# Altium PCB ZYNQ-7000_SOM_Bd.PcbDoc (part 6 of 6) (continued)
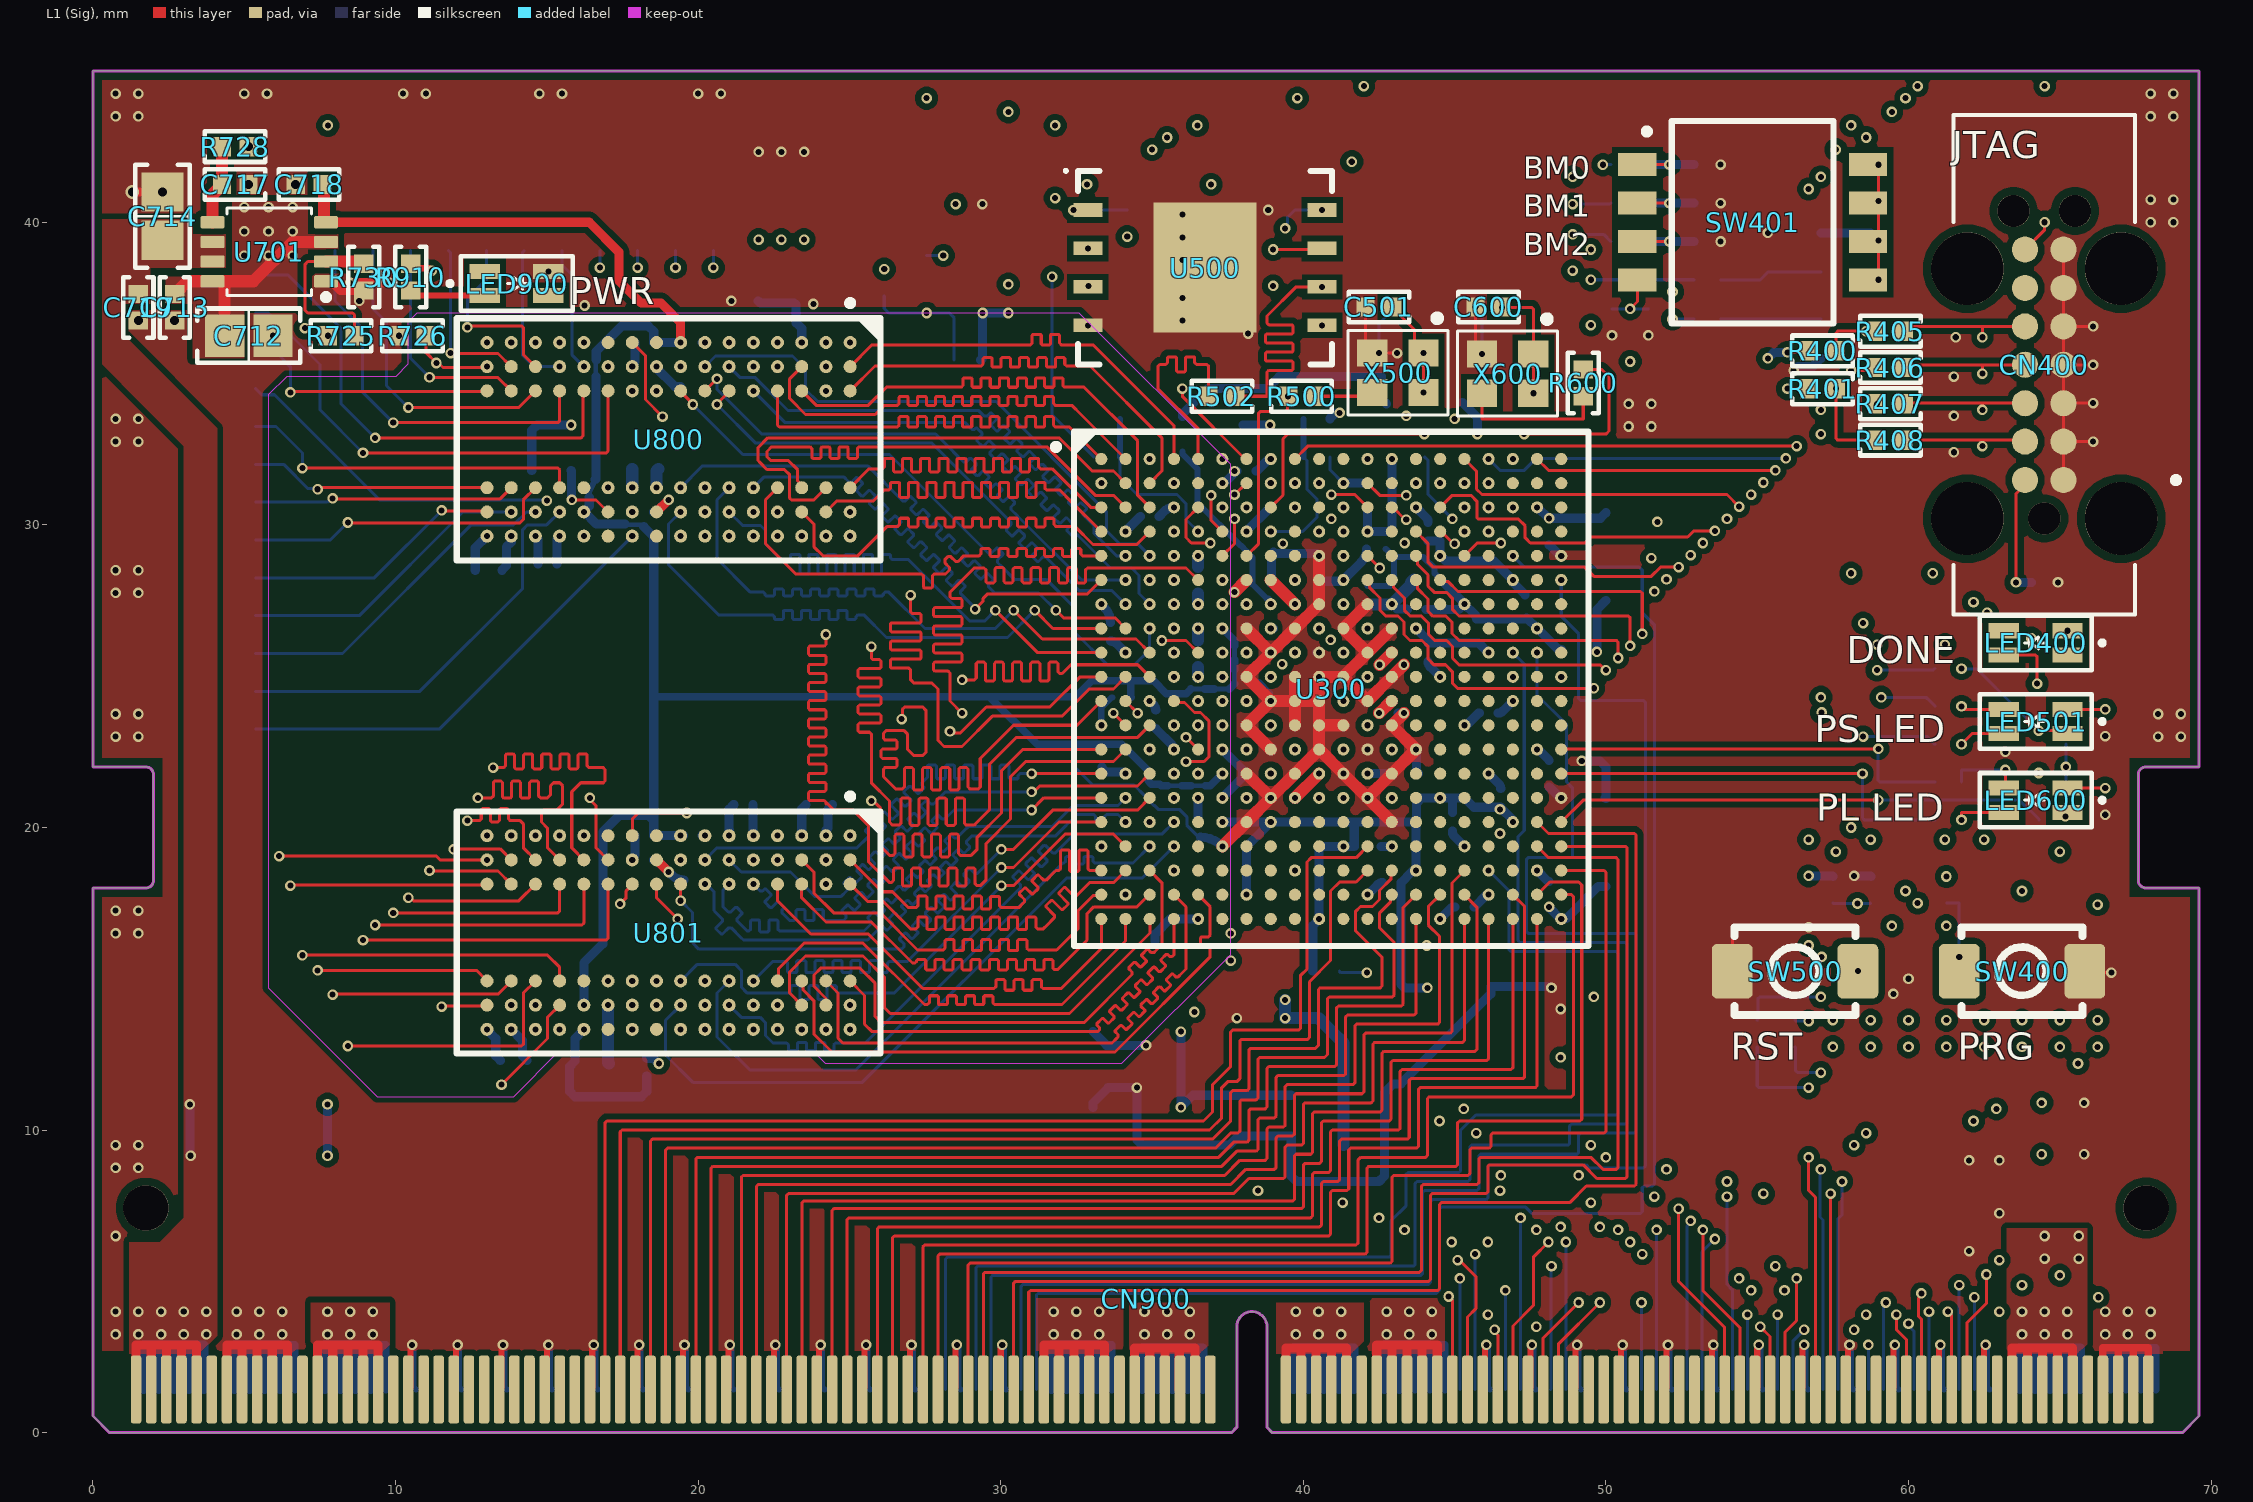
[diagram p0: L1 (Sig) view]
## Nets (pads, with @x,y where several pads share a name; then routed paths per layer and width w, separated by ;. In a path a pad name is that pad's centre, name@x,y a point inside that pad or via, vN(x,y) a via of type N, cw(c..) or ccw(c..) an arc to the next point about the centre after c; other vN are vias at no path point) (continued)
  L6 (Sig) w0.1: v1(32.9,37.9) v1(39,37.9) 39.5,38.4 v1(48.9,38.4)
  L8 (Sig) w0.1: v1(48.9,39.6) 49.925,39.6 R416.1@50.16,39.365
PS_QSPI_DQ3_BM0: R412.1 U300.A6 U500.7 | length 28.2
  L1 (Sig) w0.1: v1(39,39.1) 40.585,39.1 U500.7@40.62,39.135
  L4 (Sig) w0.1: v1(37.323,32.177) 37.323,35.059 37.323,35.409 37.381,35.467 37.661,35.467 37.691,35.497 37.691,35.737 37.661,35.767 37.328,35.767 37.298,35.797 37.298,36.037 37.328,36.067 37.661,36.067 37.691,36.097 37.691,36.337 37.661,36.367 37.328,36.367 37.298,36.397 37.298,36.637 37.328,36.667 37.661,36.667 37.691,36.697 37.691,36.937 37.661,36.967 37.328,36.967 37.298,36.997 37.298,37.237 37.328,37.267 37.661,37.267 37.691,37.297 37.691,37.537 37.661,37.567 37.328,37.567 37.298,37.597 37.298,37.837 37.328,37.867 37.661,37.867 37.691,37.897 37.691,38.137 37.661,38.167 37.328,38.167 37.298,38.197 37.298,38.437 37.328,38.467 37.661,38.467 37.691,38.497 37.691,38.737 37.661,38.767 37.381,38.767 37.323,38.826 37.323,39.041 37.348,39.066 37.381,39.1 v1(39,39.1) ; v1(49.5,39.1) 49.9,39.5 v1(49.9,41.9) v1@49.852,41.852
  L6 (Sig) w0.1: v1(39,39.1) v1(49.5,39.1)
  L8 (Sig) w0.1: v1(49.9,41.9) 49.905,41.905 R412.1@50.16,41.905
PS_QSPI_NCS: R501.1 U300.A7 U500.1 | length 13.2
  L1 (Sig) w0.1: v1(32.4,40.4) 32.875,40.4 U500.1@32.88,40.405 U500.1@32.885,40.4 ; v1(36,34.5) 36,34.248 38.071,32.177 U300.A7@38.123,32.177
  L6 (Sig) w0.1: v1(32.4,40.4) 32.4,40.332 32.3,40.232 32.3,37.8 35.6,34.5 v1(36,34.5)
  L8 (Sig) w0.1: v1(32.4,40.4) 34.175,40.4 R501.1@34.18,40.405
PS_SD0_CK: CN900.203 U300.D14 | length 37.6
  L1 (Sig) w0.1: U300.D14@43.723,29.777 44.112,29.388 44.112,28.778 44.29,28.6 49.3,28.6 49.6,28.3 51.5,28.3 51.8,28.6 v1(52.4,28.6) ; v1(52.4,7.4) 52.4,5 53.925,3.475 CN900.203@53.925,1.425
  L4 (Sig) w0.1: v1(52.4,7.4) v1(52.4,28.6)
PS_SD0_CMD: CN900.205 U300.C17 | length 36
  L1 (Sig) w0.1: v1(53.2,6.7) 53.2,4.7 54.425,3.475 CN900.205@54.425,1.425
  L4 (Sig) w0.1: v1(53.2,6.7) v1(53.2,29.4)
  L6 (Sig) w0.1: v1(46.123,30.577) 46.133,30.567 46.372,30.567 47.239,29.7 52.84,29.7 53.14,29.4 v1(53.2,29.4)
PS_SD0_DATA0: CN900.209 U300.E12 | length 39.9
  L1 (Sig) w0.1: U300.E12@42.123,28.977 v1(42.525,28.575) ; v1(55.1,3.5) 55.425,3.175 CN900.209@55.425,1.425
  L4 (Sig) w0.1: v1(42.525,28.575) 42.525,26.375 42.928,25.972 42.928,23.272 43.342,22.858 v1(43.342,6.7) ; v1(47.7,3.5) v1(47.7,6.7)
  L6 (Sig) w0.1: v1(43.342,6.7) v1(47.7,6.7) ; v1(47.7,3.5) v1(55.1,3.5)
PS_SD0_DATA1: CN900.211 U300.A9 | length 48.1
  L1 (Sig) w0.1: U300.A9@39.723,32.177 40.146,32.6 v1(56.3,32.6) ; CN900.211@55.925,1.425 55.925,3.325 56.3,3.7 v1(56.3,5.1)
  L4 (Sig) w0.1: v1(56.3,5.1) v1(56.3,32.6)
PS_SD0_DATA2: CN900.215 U300.F13 | length 39.7
  L1 (Sig) w0.1: U300.F13@42.923,28.177 42.979,28.121 42.979,27.938 43.337,27.58 43.337,27.182 43.531,26.989 43.897,26.989 44.134,26.752 44.134,26.386 44.343,26.177 44.734,26.177 44.928,25.983 44.928,25.595 45.147,25.376 49.8,25.376 49.976,25.2 v1(50,25.2) ; v1(56.7,9.1) 56.7,8 56.925,7.775 CN900.215@56.925,1.425
  L4 (Sig) w0.1: v1(50,9.1) v1(50,25.2)
  L6 (Sig) w0.1: v1(50,9.1) v1(56.7,9.1)
PS_SD0_DATA3: CN900.217 U300.B15 | length 43.2
  L1 (Sig) w0.1: CN900.217@57.425,1.425 v1(57.425,7.9)
  L4 (Sig) w0.1: v1(55.2,7.9) v1(55.2,31.4)
  L6 (Sig) w0.1: v1(44.523,31.377) 44.946,31.8 54.8,31.8 v1(55.2,31.4) ; v1(55.2,7.9) v1(57.425,7.9)
PS_SPI0_MISO: CN900.206 U300.C13 | length 39.8
  L1 (Sig) w0.1: U300.C13@42.923,30.577 42.96,30.577 43.363,30.175 v1(43.4,30.175)
  L4 (Sig) w0.1: v1(43.4,30.175) 43.8,29.775 43.8,27.2 44.107,26.893 44.107,24.895 44.9,24.102 v1(44.9,6.3) ; v1(46.1,3.9) v1(46.1,6.3)
  L6 (Sig) w0.1: v1(44.9,6.3) v1(46.1,6.3) ; v1(46.1,3.9) v1(54.675,3.9)
  L8 (Sig) w0.1: v1@54.6,3.84 v1@54.6,3.9 ; CN900.206@54.675,1.425 v1(54.675,3.9)
PS_SPI0_MOSI: CN900.204 U300.D15 | length 36.7
  L1 (Sig) w0.1: U300.D15@44.523,29.777 44.56,29.777 44.963,29.375 v1(45,29.375)
  L4 (Sig) w0.1: v1(51.6,7.8) v1(51.6,27.8)
  L6 (Sig) w0.1: v1(45,29.375) 45.025,29.375 46.6,27.8 v1(51.6,27.8) ; v1(51.6,7.8) v1(54,7.8)
  L8 (Sig) w0.1: v1(54,7.8) 54,4.9 54.175,4.725 CN900.204@54.175,1.425
PS_SPI0_SCLK: CN900.198 U300.C16 | length 35.8
  L4 (Sig) w0.1: v1(52.8,7) v1(52.8,29)
  L6 (Sig) w0.1: v1(45.323,30.577) 45.675,30.225 46.275,30.225 47.171,29.329 52.471,29.329 v1(52.8,29)
  L8 (Sig) w0.1: CN900.198@52.675,1.425 52.675,6.816 52.8,6.941 v1(52.8,7)
PS_SPI0_SS0: CN900.200 U300.C15 | length 39.2
  L1 (Sig) w0.1: U300.C15@44.523,30.577 44.92,30.974 45.54,30.974 45.733,30.782 45.733,30.248 45.791,30.189 47.111,30.189 47.33,29.97 47.33,29.57 47.5,29.4 49.3,29.4 49.5,29.6 52.7,29.6 52.9,29.8 v1(53.6,29.8)
  L4 (Sig) w0.1: v1(53.6,6.4) v1(53.6,29.8)
  L8 (Sig) w0.1: CN900.200@53.175,1.425 53.175,5.975 v1(53.6,6.4)
PS_SPI1_MISO: CN900.218 U300.B14 | length 43.4
  L4 (Sig) w0.1: v1(54,8.3) v1(54,30.2)
  L6 (Sig) w0.1: v1(43.723,31.377) 44.1,31 53.2,31 v1(54,30.2) ; v1(54,8.3) v1(57.8,8.3)
  L8 (Sig) w0.1: CN900.218@57.675,1.425 57.675,7.075 57.8,7.2 v1(57.8,8.3)
PS_SPI1_MOSI: CN900.216 U300.D16 | length 39.3
  L4 (Sig) w0.1: v1(52,8.7) v1(52,28.2)
  L6 (Sig) w0.1: v1(45.323,29.777) 46.5,28.6 50.9,28.6 51.3,28.2 v1(52,28.2) ; v1(52,8.7) v1(57.1,8.7)
  L8 (Sig) w0.1: v1(57.1,8.7) 57.073,8.673 57.073,7.127 57.175,7.025 CN900.216@57.175,1.425
PS_SPI1_SCLK: CN900.210 U300.B12 | length 48.1
  L1 (Sig) w0.1: U300.B12@42.123,31.377 42.525,30.975 v1(43.4,30.975)
  L4 (Sig) w0.1: v1(43.4,30.975) 44.025,30.975 44.1,30.9 44.1,27.5 45,26.6 45,24.7 45.714,23.986 v1(45.714,9.9) ; v1(58.6,3.9) v1(58.6,9.9)
  L6 (Sig) w0.1: v1(45.714,9.9) v1(58.6,9.9) ; v1(55.675,3.9) v1(58.6,3.9)
  L8 (Sig) w0.1: CN900.210@55.675,1.425 v1(55.675,3.9)
PS_SPI1_SS0: CN900.212 U300.C12 | length 54.3
  L1 (Sig) w0.1: v1(40.925,31) 41.7,31 U300.C12@42.123,30.577
  L4 (Sig) w0.1: v1(40.925,31) 40.5,30.575 40.5,30.3 40.114,29.914 40.114,19.786 41.3,18.6 v1(41.3,7.6) ; v1(49.5,7.6) v1(49.5,9.5) ; v1(58.2,3.4) v1(58.2,9.5)
  L6 (Sig) w0.1: v1(41.3,7.6) v1(49.5,7.6) ; v1(49.5,9.5) v1(58.2,9.5) ; v1(56.55,3.4) v1(58.2,3.4)
  L8 (Sig) w0.1: CN900.212@56.175,1.425 56.175,3.025 v1(56.55,3.4)
PS_UART0_RX: R908.1 U300.A12 | length 32.5
  L4 (Sig) w0.1: v1(42.123,32.177) 42.123,30.277 42.5,29.9 42.5,29.328 43.328,28.5 43.328,26.272 43.7,25.9 43.7,24.353 44.075,23.978 v1(44.075,16.1) ; v1(56.7,13.6) v1(56.7,16.1)
  L6 (Sig) w0.1: v1(44.075,16.1) v1(56.7,16.1)
  L8 (Sig) w0.1: R908.1@56.25,13.63 56.28,13.6 v1(56.7,13.6)
PS_UART0_TX: R907.1 U300.F12 | length 30.5
  L1 (Sig) w0.1: U300.F12@42.123,28.177 42.179,28.121 42.179,27.939 42.533,27.585 42.533,27.174 42.721,26.986 43.128,26.986 43.326,26.787 43.326,26.375 43.522,26.179 43.921,26.179 44.126,25.974 44.126,25.566 44.314,25.377 44.696,25.377 44.925,25.149 44.925,24.775 45.113,24.587 v1@49.6,24.587
  L4 (Sig) w0.1: v1(49.6,14.4) v1(49.6,24.6)
  L6 (Sig) w0.1: v1(49.6,14.4) v1(57.1,14.4)
  L8 (Sig) w0.1: R907.1@55,13.63 55.02,13.65 55.02,14.341 55.079,14.4 v1(57.1,14.4)
PS_UART1_RX: CN900.170 U300.F15 | length 38.7
  L1 (Sig) w0.1: U300.F15@44.523,28.177 44.564,28.136 44.776,28.136 45.112,27.8 51.141,27.8 51.2,27.741 v1(51.2,26.4)
  L4 (Sig) w0.1: v1(51.2,5.9) v1(51.2,26.4)
  L6 (Sig) w0.1: v1(45.675,5.9) v1(51.2,5.9)
  L8 (Sig) w0.1: CN900.170@45.675,1.425 v1(45.675,5.9)
PS_UART1_TX: CN900.168 U300.A16 | length 48.5
  L1 (Sig) w0.1: U300.A16@45.323,32.177 45.726,31.774 45.726,31.181 45.907,31 54,31 v1(54.4,30.6)
  L4 (Sig) w0.1: v1(54.4,5.1) v1(54.4,30.6)
  L6 (Sig) w0.1: v1(45.175,5.1) v1(54.4,5.1)
  L8 (Sig) w0.1: CN900.168@45.175,1.425 v1(45.175,5.1)
PS_USER_DIP_SW: C401.2 R422.2 SW401.4 U300.C8 | length 19
  L1 (Sig) w0.1: U300.C8@38.923,30.577 39.328,30.983 39.328,32.841 39.487,33 v1(44,33) ; v1(50.8,37.14) 51.04,37.38 SW401.4@51.04,38.095
  L4 (Sig) w0.1: v1(50.8,35.4) v1(50.8,37.14)
  L6 (Sig) w0.1: v1(44,33) 45.1,33 47.5,35.4 v1(50.8,35.4)
  L8 (Sig) w0.1: C401.2@50.2,37.14 v1(50.8,37.14) R422.2@51.4,37.14
PS_USER_LED_BLUE: R508.2 U300.C11 | length 29.4
  L4 (Sig) w0.1: v1(57.1,24.3) v1(57.1,33)
  L6 (Sig) w0.1: v1(41.323,30.577) 42.177,30.577 44.2,32.6 55.7,32.6 56.1,33 v1(57.1,33) ; v1(57.1,24.3) v1(59.098,24.3)
  L8 (Sig) w0.1: v1(59.098,24.3) 60.57,24.3 60.6,24.27 60.62,24.27 60.87,24.02 R508.2@60.87,24
PS_USER_LED_GREEN: R510.2 U300.D10 | length 27.8
  L4 (Sig) w0.1: v1(40.523,29.777) 40.545,29.755 40.545,29.54 40.9,29.185 v1(40.9,26.2) ; v1(58.5,23) v1(58.5,26.752)
  L6 (Sig) w0.1: v1(40.9,26.2) 50.2,26.2 50.752,26.752 v1(58.5,26.752)
  L8 (Sig) w0.1: v1(58.5,23) 60.62,23 R510.2@60.87,22.75
PS_USER_LED_RED: R512.2 U300.B9 | length 29.3
  L4 (Sig) w0.1: v1(39.3,25.4) 39.3,28.8 38.5,29.6 38.5,30.154 v1(39.723,31.377)
  L6 (Sig) w0.1: v1(39.3,25.4) 40.134,24.566 48.434,24.566 48.752,24.248 56.248,24.248 57.2,25.2 v1(58.96,25.2)
  L8 (Sig) w0.1: v1(58.96,25.2) 60.82,25.2 R512.2@60.87,25.25
TCK: R407.1 R903.1 U300.F9 | length 63.9
  L4 (Sig) w0.1: v1(39.723,28.177) 39.723,30.023 40.1,30.4 40.1,31.9 41.6,33.4 v1(41.6,42) ; v1(57.1,33.8) v1(57.1,41.5) ; v1(58.96,26.04) v1(58.96,34) ; v1(61.2,19.6) v1(61.2,26.04) ; v1(62.5,13.63) v1(62.5,19.6)
  L6 (Sig) w0.1: v1(41.6,42) 49.1,42 49.6,41.5 v1(57.1,41.5) ; v1(57.1,33.8) 58.7,33.8 58.9,34 v1(58.96,34) ; v1(58.96,26.04) v1(61.2,26.04) ; v1(61.2,19.6) v1(62.5,19.6)
TDI: R400.1 R405.1 R901.1 U300.G6 | length 71
  L1 (Sig) w0.1: R400.1@57.6,35.75 57.6,36.341 57.659,36.4 R405.1@58.96,36.4
  L4 (Sig) w0.1: v1(35.5,42.8) 35.5,34.2 36.136,33.564 36.136,28.564 v1(37.323,27.377) ; v1@57.5,13.623 57.5,18.5 58.1,19.1 v1(58.1,20) 58.1,27.7 58.6,28.2 58.6,33.6 58.5,33.7 58.5,34.3 58.6,34.4 v1(58.6,36.4) v1(58.6,42.8)
  L6 (Sig) w0.1: v1(35.5,42.8) v1(58.6,42.8)
  other v1: 57.5,13.63
TDO: R406.1 R902.1 U300.F6 | length 70.5
  L1 (Sig) w0.1: v1(58.1,35.1) 58.86,35.1 R406.1@58.96,35.2
  L4 (Sig) w0.1: v1(36.5,43.2) 36.5,30.7 37.323,29.877 v1(37.323,28.177) ; v1(58.1,28.4) v1(58.1,43.2) ; v1(60,13.63) 60.8,14.43 v1(60.8,28.4)
  L6 (Sig) w0.1: v1(36.5,43.2) v1(58.1,43.2) ; v1(58.1,28.4) v1(60.8,28.4)
TMS: R401.1 R408.1 R904.1 U300.J6 | length 80.1
  L1 (Sig) w0.1: v1(57.6,34.5) 57.6,32.859 57.659,32.8 R408.1@58.96,32.8
  L4 (Sig) w0.1: v1(35,42.4) 35,34 35.324,33.676 35.324,27.176 35.519,26.981 36.761,26.981 36.915,26.826 36.915,26.185 v1(37.323,25.777) ; v1(57.6,19.2) v1(57.6,34.5) v1(57.6,42.4) ; v1(65,13.63) v1(65,19.2)
  L6 (Sig) w0.1: v1(35,42.4) v1(57.6,42.4) ; v1(57.6,19.2) v1(65,19.2)
VCFG0: R511.1 R513.1 U300.D8 | length 5.2
  L8 (Sig) w0.1: v1(38.923,29.777) 39.977,29.777 40.45,30.25 40.45,30.85 40.123,31.177 40.123,32.127 R513.1@40,32.25
  L8 (Sig) w0.2: R513.1@40,32.25 R511.1@40,33.5
VCFG1: R514.1 R515.1 U300.D5 | length 5.6
  L8 (Sig) w0.1: R514.1@33.94,32.25 33.94,31.56 34.5,31 35.825,31 36.125,30.7 36.125,30.175 v1(36.523,29.777)
  L8 (Sig) w0.2: R514.1@33.94,32.25 R515.1@33.94,33.5
pads on no net: CN400.12 CN400.MH CN900.11 CN900.12 CN900.23 CN900.24 CN900.35 CN900.36 CN900.39 CN900.40 CN900.41 CN900.42 CN900.45 CN900.46 CN900.47 CN900.48 CN900.51 CN900.52 CN900.53 CN900.54 CN900.57 CN900.58 CN900.59 CN900.60 CN900.64 CN900.66 CN900.70 CN900.72 CN900.76 CN900.78 CN900.82 CN900.84 CN900.88 CN900.90 CN900.94 CN900.96 CN900.100 CN900.102 CN900.106 CN900.131 CN900.132 CN900.143 CN900.144 CN900.155 CN900.156 CN900.185 CN900.186 CN900.187 CN900.188 CN900.191 CN900.193 CN900.197 CN900.199 CN900.221 CN900.223 CN900.239 CN900.240 CN900.251 CN900.252 CN900.MH LED400.1 LED400.3 LED900.1 LED900.3 R509.2 U300.A10 U300.A11 U300.A14 U300.A15 U300.A20 U300.B5 U300.B13 U300.B18 U300.B19 U300.B20 U300.C10 U300.C20 U300.D9 U300.D13 U300.D18 U300.D19 U300.D20 U300.E8 U300.E9 U300.E13 U300.E17 U300.E19 U300.F16 U300.F17 U300.F19 U300.G14 U300.G15 U300.G17 U300.G18 U300.G19 U300.G20 U300.H15 U300.H16 U300.H17 U300.H18 U300.H20 U300.J14 U300.J15 U300.J16 U300.J20 U300.K14 U300.K16 U300.K17 U300.K19 U300.L14 U300.L15 U300.L16 U300.L17 U300.L19 U300.L20 U300.M14 U300.M15 U300.M17 U300.M18 U300.M19 U300.M20 U300.N15 U300.N16 U300.N17 U300.N18 U300.P14 U300.P15 U300.P16 U300.P18 U300.P19 U300.R14 U300.R16 U300.R17 U300.R18 U300.R19 U300.T5 U300.T9 U300.T10 U300.T11 U300.T12 U300.T14 U300.T15 U300.T16 U300.T17 U300.U5 U300.U7 U300.U8 U300.U9 U300.U10 U300.U14 U300.U15 U300.U17 U300.U18 U300.V5 U300.V6 U300.V7 U300.V8 U300.V10 U300.V11 U300.V15 U300.V18 U300.W6 U300.W8 U300.W9 U300.W10 U300.W11 U300.Y6 U300.Y7 U300.Y8 U300.Y9 U300.Y11 U300.Y12 U300.Y13 U502.1 U800.J1 U800.J9 U800.L1 U800.L9 U800.M7 U801.J1 U801.J9 U801.L1 U801.L9 U801.M7

## Polygon pours and split planes (outlines as drawn)
DGND on L8 (Sig) "DGND_L8 (Sig)" (solid, remove dead copper, pour order 2): 2.675,43.675 21,43.675 21,41.925 20.975,41.9 2.5,41.9 2.5,22.75 0.5,22.75 0.5,43.675
DP0.675VS on L8 (Sig) "DP0.675VS_L8 (Sig)" (solid, remove dead copper, pour order 3): 7.4,39.6 7.4,38.7 4.75,38.7 4.75,22.75 2.75,22.75 2.75,41.6 21,41.6 21,39.6
DP5VS on L8 (Sig) "DP5VS_L8 (Sig)" (solid, remove dead copper, pour order 8): 3.8,2.6 3.8,2.9 4.1,3.2 4.1,4.4 1.2,4.4 1.2,2.6
DGND on L8 (Sig) "DGND_L8 (Sig)" (solid, remove dead copper, pour order 10): 6.802,2.6 6.802,4.3 4.4,4.3 4.4,3.1 4.5,3 4.5,2.6
DP1.35VS on L8 (Sig) "DP1.35VS_L8 (Sig)" (solid, remove dead copper, pour order 12): 7.6,2.6 7.2,3 7.2,4.3 9.8,4.3 9.8,2.6
DP1.0VS on L8 (Sig) "DP1.0VS_L8 (Sig)" (solid, remove dead copper, pour order 14): 34.55,2.6 34.25,2.9 34.25,4.2 36.85,4.2 36.85,2.6
DP1.8VS on L8 (Sig) "DP1.0VS_L8 (Sig)" (solid, remove dead copper, pour order 16): 39.1,2.6 39.1,4.2 42,4.2 42,2.6
DGND on L8 (Sig) "DGND_L8 (Sig)" (solid, remove dead copper, pour order 18): 44.802,2.6 44.802,4.3 42.4,4.3 42.4,3.1 42.5,3 42.5,2.6
DP3.3VS on L8 (Sig) "DP1.0VS_L8 (Sig)" (solid, remove dead copper, pour order 20): 63.55,2.6 63.25,2.9 63.25,6.75 65.9,6.75 65.9,2.6
DGND on L8 (Sig) "DGND_L8 (Sig)" (solid, remove dead copper, pour order 22): 66.2,2.931 66.531,2.6 68.4,2.6 68.4,4.2 66.2,4.2
DGND on L8 (Sig) "DGND_L8 (Sig)" (solid, remove dead copper, pour order 26): 33.802,2.6 33.802,4.3 31.4,4.3 31.4,3.1 31.5,3 31.5,2.6
DP3.3VS on L8 (Sig) "DP3.3VS_L8 (Sig)" (solid, remove dead copper, pour order 31): 38.4,20.6 38.4,23.8 37.8,23.8 37,23.8 37,19.8 37.5,19.8 37.7,19.6 37.7,19.1 42,19.1 42,19.8 43.4,19.8 43.4,19 47.1,19 47.1,21.2 43.4,21.2 43.4,20.6
DGND on L8 (Sig) "DGND_L8 (GND)" (solid, remove dead copper, pour order 35): 0.3,17.7 2.3,17.7 2.3,22.3 0.3,22.3 0.3,44.7 69.3,44.7 69.3,22.3 67.3,22.3 67.3,17.7 69.3,17.7 69.3,2.7 0.3,2.7
DP0.675VS on L1 (Sig) "DP0.675VS_L1 (Sig)" (solid, remove dead copper, pour order 6): 4.6,38.2 4.6,40.7 7.1,40.7 7.1,39.6 8.1,39.6 8.1,39.1 7.1,39.1 7.1,37.2 5,37.2 5,35.5 3.3,35.5 3.3,37.3 2.4,37.3 2.4,38.2
DP5VS on L1 (Sig) "DP5VS_L1 (Sig)" (solid, remove dead copper, pour order 7): 3.5,2.6 4.1,3.2 4.1,33.2 1,36.3 1,37.3 1.9,37.3 1.9,38.5 4.4,38.5 4.4,39.6 3.3,39.6 3.3,40.1 0.3,40.1 0.3,35.3 1.6,34 3,32.6 3,7.1 2.2,6.3 1.2,6.3 1.2,2.6
DGND on L1 (Sig) "DGND_L1 (Sig)" (solid, remove dead copper, pour order 9): 6.549,2.6 6.8,2.851 6.8,4.3 4.4,4.3 4.4,3.1 4.266,2.966 4.266,2.6
DP1.35VS on L1 (Sig) "DP1.35VS_L1 (Sig)" (solid, remove dead copper, pour order 11): 9.5,2.6 9.8,2.9 9.8,4.3 7.2,4.3 7.2,3 7.6,2.6
DP1.0VS on L1 (Sig) "DP1.0VS_L1 (Sig)" (solid, remove dead copper, pour order 13): 36.784,2.809 36.85,2.875 36.85,4.3 34.25,4.3 34.25,2.75 34.4,2.6 36.575,2.6
DP1.8VS on L1 (Sig) "DP1.0VS_L1 (Sig)" (solid, remove dead copper, pour order 15): 41.784,2.809 42,3.025 42,4.3 39.1,4.3 39.1,2.6 41.575,2.6
DGND on L1 (Sig) "DGND_L1 (Sig)" (solid, remove dead copper, pour order 17): 44.549,2.6 44.8,2.851 44.8,4.3 42.4,4.3 42.4,3.1 42.266,2.966 42.266,2.6
DP3.3VS on L1 (Sig) "DP1.0VS_L1 (Sig)" (solid, remove dead copper, pour order 19): 65.784,2.809 65.9,2.925 65.9,6.75 63.25,6.75 63.25,2.75 63.4,2.6 65.575,2.6
DGND on L1 (Sig) "DGND_L1 (Sig)" (solid, remove dead copper, pour order 21): 66.2,2.8 66.4,2.6 68.4,2.6 68.4,4.2 66.2,4.2
DGND on L1 (Sig) "DGND_L1 (Sig)" (solid, remove dead copper, pour order 25): 33.549,2.6 33.8,2.851 33.8,4.3 31.4,4.3 31.4,3.1 31.266,2.966 31.266,2.6
DGND on L1 (Sig) "DGND_L1 (Sig)" (solid, remove dead copper, pour order 33): 8.1,38.2 8.1,38.3 7.3,38.3 7.3,37.3 9.3,37.3 9.3,38.2
DGND on L1 (Sig) "DGND_L1 (GND)" (solid, remove dead copper, pour order 34): 0.3,17.7 2.3,17.7 2.3,22.3 0.3,22.3 0.3,44.7 69.3,44.7 69.3,22.3 67.3,22.3 67.3,17.7 69.3,17.7 69.3,2.7 0.3,2.7
DP1.8VS on L3 (PWR) "DP1.8VS_L3 (PWR)" (solid, remove dead copper, pour order 28): 39.1,3.8 38.6,4.3 38.4,4.3 38.4,14.5 39.2,14.5 39.2,18.25 43.25,18.25 43.25,27.5 41.75,27.5 41.75,20.5 38.5,20.5 38.5,28.425 39.935,28.425 39.935,29.71 39.975,29.75 45.5,29.75 45.5,16.25 42,16.25 42,2.6 39.1,2.6
DP1.0VS on L3 (PWR) "DP1.0VS_L3 (PWR)" (solid, remove dead copper, pour order 27): 37.5,2.6 37.5,3.8 38,4.3 38.2,4.3 38.2,14.7 39,14.7 39,18.5 43.25,18.5 43.25,27.5 40.948,27.5 40.315,26.867 40.315,26.235 41.735,26.235 41.75,26.25 41.75,22.177 38.5,22.177 38.5,28.5 37.5,28.5 37.5,19.845 37.405,19.75 36.75,19.75 36.75,18.337 36.413,18 31.3,18 31.3,4.7 34.25,4.7 34.25,2.6
DP1.35VS on L3 (PWR) "DP1.35VS_L3 (PWR)" (solid, remove dead copper, pour order 29): 7.25,3 9.75,3 9.75,3.3 31,3.3 31,18.293 36.5,18.293 36.5,25.4 37.25,25.4 37.25,37.5 7.25,37.5
DP3.3VS on L3 (PWR) "DP3.3VS_L3 (PWR)" (solid, remove dead copper, pour order 30): 45.2,4.7 45.2,3.3 63.25,3.3 63.25,2.75 65.9,2.75 65.9,6.5 65.9,20 67.25,20 67.25,28.5 60.25,28.5 60.25,44.25 21.25,44.25 21.25,38 37.75,38 37.75,29.75 45.75,29.75 45.75,16 42.25,16 42.25,4.7
DGND on L3 (PWR) "DGND_L3 (PWR)" (solid, remove dead copper, pour order 41): 0.3,17.7 2.3,17.7 2.3,22.3 0.3,22.3 0.3,44.7 69.3,44.7 69.3,22.3 67.3,22.3 67.3,17.7 69.3,17.7 69.3,2.7 0.3,2.7
DGND on L2 (GND) "DGND_L2 (GND)" (solid, remove dead copper, pour order 36): 0.3,17.7 2.3,17.7 2.3,22.3 0.3,22.3 0.3,44.7 69.3,44.7 69.3,22.3 67.3,22.3 67.3,17.7 69.3,17.7 69.3,2.7 0.3,2.7
DGND on L5 (GND) "DGND_L5 (GND)" (solid, remove dead copper, pour order 37): 0.3,17.7 2.3,17.7 2.3,22.3 0.3,22.3 0.3,44.7 69.3,44.7 69.3,22.3 67.3,22.3 67.3,17.7 69.3,17.7 69.3,2.7 0.3,2.7
DGND on L4 (Sig) "DGND_L4 (Sig)" (solid, remove dead copper, pour order 38): 0.3,17.7 2.3,17.7 2.3,22.3 0.3,22.3 0.3,44.7 69.3,44.7 69.3,22.3 67.3,22.3 67.3,17.7 69.3,17.7 69.3,2.7 0.3,2.7
DGND on L6 (Sig) "DGND_L6 (Sig)" (solid, remove dead copper, pour order 39): 0.3,17.7 2.3,17.7 2.3,22.3 0.3,22.3 0.3,44.7 69.3,44.7 69.3,22.3 67.3,22.3 67.3,17.7 69.3,17.7 69.3,2.7 0.3,2.7
DGND on L7 (GND) "DGND_L7 (GND)" (solid, remove dead copper, pour order 40): 0.3,17.7 2.3,17.7 2.3,22.3 0.3,22.3 0.3,44.7 69.3,44.7 69.3,22.3 67.3,22.3 67.3,17.7 69.3,17.7 69.3,2.7 0.3,2.7

## Keep-outs
L1 (Sig):
  region: 10.7,37 10.4,36.7 10.4,35.3 10,34.9 6.4,34.9 5.8,34.3 5.8,14.7 9.4,11.1 13.9,11.1 15.4,12.6 23.8,12.6 24.2,12.2 34,12.2 37.6,15.8 37.6,32 32.6,37
L4 (Sig):
  region: 6.4,35.9 5.5,35 5.5,14.7 8.1,12.1 12.2,12.1 13.5,10.8 16.3,10.8 21.2,15.7 21.2,38.7 20.9,39 14.1,39 11,35.9
L6 (Sig):
  region: 6.1,31.7 5.7,31.3 5.7,17.9 6.4,17.2 6.4,15.2 7.8,13.8 7.8,12.3 7.9,12.2 9.4,12.2 13.4,8.2 32.8,8.2 34.5,9.9 34.5,16.9 37.8,20.2 37.8,31 37.4,31 36.1,32.3 6.7,32.3
L8 (Sig):
  region: 5,38.5 5,22.6 17.2,22.6 18.1,21.7 18.1,12.4 19.6,10.9 25.8,10.9 32.6,17.7 34.9,17.7 36.6,19.4 36.6,28.9 30.8,34.7 24.9,34.7 21.1,38.5
Keep-Out Layer:
  the board outline again, w0.1

## Silkscreen, mask and mechanical layers (free items; w line width, h text height)
Top Overlay:
  text "JTAG" at 61.45,41.825 h1.52
  text "BM0" at 47.266,41.189 h1.27
  text "BM1" at 47.266,39.927 h1.27
  text "BM2" at 47.266,38.657 h1.27
  text "PWR" at 15.75,37 h1.52
  text "DONE" at 57.965,25.125 h1.52
  text "PS LED" at 56.9,22.525 h1.52
  text "PL LED" at 56.95,19.925 h1.52
  text "RST" at 54.125,12.025 h1.52
  text "PRG" at 61.625,12.025 h1.52
Bottom Overlay:
  drawing of 26 lines, arcs and shapes, not listed
  text "ZYNQ-7Z010 SOM B'd (Rev.A)" at 29,5.876 h2
  text "Designed by Ganghyeok Lim" at 22.5,3.783 h1.5
Top Mask:
  region: 69.6,0 69.6,2.55 0,2.55 0,0
Bottom Mask:
  region: 69.6,0 69.6,2.55 0,2.55 0,0
Mechanical 13:
  lines w0.1: -23.127,6.027 -3.627,6.027 ; -23.127,9.027 -3.627,9.027 ; -23.127,12.027 -3.627,12.027 ; -23.127,15.027 -3.627,15.027 ; -23,18 -3.5,18 ; -23,21 -3.5,21 ; -23,24 -3.5,24 ; -22.944,3.033 -3.444,3.033 ; -19.5,0 -19.5,24 ; 77.373,36.027 96.873,36.027 ; 77.373,39.027 96.873,39.027 ; 77.5,3.033 126.75,3.033 ; 77.5,6.027 126.75,6.027 ; 77.5,9.033 126.75,9.033 ; 77.5,12.027 126.75,12.027 ; 77.5,15.027 126.75,15.027 ; 77.5,18.027 126.75,18.027 ; 77.5,21.027 126.75,21.027 ; 77.5,24 126.75,24 ; 77.5,27.033 126.75,27.033 ; 77.5,30.027 126.75,30.027 ; 77.5,33.027 126.75,33.027 ; 77.5,36.027 126.75,36.027 ; 77.5,39.027 126.75,39.027 ; 77.5,42 97,42 ; 77.5,42.027 126.75,42 ; 77.5,45.027 126.75,45.027 ; 77.5,48.033 126.75,48.033 ; 77.5,51.027 126.75,51.027 ; 77.5,54.027 126.75,54.027 ; 77.5,57.027 126.75,57.027 ; 77.5,60.027 126.75,60.027 ; 77.5,63 126.75,63 ; 77.5,66 126.75,66 ; 77.5,69 101,69 ; 81,0 81,69 ; 101,0 101,69 ; 126.75,69 101,69
  lines w0.254: -23,0 -3.5,0 -3.5,27 -23,27 -23,0 ; 77.5,0 126.75,0 126.75,72 77.5,72 77.5,0
  text "# PCB Specification (JLCPCB)" at 78.5,69.876 h2
  text "Category" at 88.111,67.143 h1.52
  text "No" at 78.5,67.016 h1.52
  text "Selection" at 110.851,67.009 h1.52
  text "1" at 79.093,64 h1.52
  text "Base Material" at 82.111,64.01 h1.52
  text "FR-4" at 102.25,64 h1.52
  text "Layer #" at 82.111,61.137 h1.52
  text "8 - Layer" at 102.25,61.143 h1.52
  text "2" at 78.979,61 h1.52
  text "69.60(mm) * 45.00(mm)" at 102.25,58.146 h1.52
  text "3" at 78.983,58.018 h1.52
  text "Dimension" at 82.111,58.018 h1.52
  text "Thickness" at 82.111,55.01 h1.52
  text "4" at 78.957,55 h1.52
  text "1.2T" at 102.25,55 h1.52
  text "5" at 78.979,52.018 h1.52
  text "Color" at 82.111,52.003 h1.52
  text "Black" at 102.25,52.002 h1.52
  text "Material Type" at 82.111,49.154 h1.52
  text "6" at 78.981,49.018 h1.52
  text "FR-4 TG155" at 102.25,49.012 h1.52
  text "7" at 78.987,46 h1.52
  text "Surface Finish" at 82.111,45.995 h1.52
  text "ENIG" at 102.25,45.995 h1.52
  text "8" at 78.986,43.018 h1.52
  text "2 U''" at 102.25,43.018 h1.52
  text "Gold Thickness" at 82.111,43.012 h1.52
  text "Outer Copper Weight" at 82.111,40.146 h1.52
  text "9" at 78.981,40.018 h1.52
  text "1 oz" at 102.25,40.017 h1.52
  text "Inner Copper Weight" at 82.111,37.146 h1.52
  text "10" at 78.637,37.018 h1.52
  text "0.5 oz" at 102.25,37.018 h1.52
  text "Impedance Control" at 82.111,34.128 h1.52
  text "11" at 78.714,34 h1.52
  text "YES" at 102.249,34.012 h1.52
  text "Layer Stack-up" at 82.111,31.137 h1.52
  text "12" at 78.638,31 h1.52
  text "JLC08121H-1080B" at 102.25,30.868 h1.52
  text "Via Covering" at 82.111,28.146 h1.52
  text "Epoxy Filled & Capped" at 102.25,28.146 h1.52
  text "13" at 78.632,28.018 h1.52
  text "14" at 78.619,25 h1.52
  text "Min. Via Hole Size / Diameter" at 82.111,25.003 h1.52
  text "Hole : 0.2mm   /   Diameter : 0.35mm" at 102.25,25.003 h1.52
  text "# Layer Information" at -22,24.876 h2
  text "Top (Signal / GND)" at -18.5,22.137 h1.52
  text "±0.2mm (Regular)" at 102.25,22.146 h1.52
  text "15" at 78.624,22.018 h1.52
  text "Board Outline Tolerance" at 82.111,22.012 h1.52
  text "L1" at -21.9,22 h1.52
  text "16" at 78.627,19.018 h1.52
  text "No" at 102.25,19.018 h1.52
  text "L2" at -21.9,19 h1.52
  text "GND" at -18.5,19.003 h1.52
  text "Confirm Production File" at 82.111,19.011 h1.52
  text "L3" at -21.9,16.018 h1.52
  text "17" at 78.633,16 h1.52
  text "Remove Order Number" at 82.111,16.003 h1.52
  text "Yes" at 102.249,16.01 h1.52
  text "Power" at -18.5,15.875 h1.52
  text "Flying Probe Test" at 82.111,13.154 h1.52
  text "Fully Test" at 102.25,13.154 h1.52
  text "Signal / GND" at -18.5,13.137 h1.52
  text "18" at 78.634,13.018 h1.52
  text "L4" at -21.9,13 h1.52
  text "Gold Fingers" at 82.111,10.146 h1.52
  text "L5" at -21.9,10.018 h1.52
  text "GND" at -18.5,10.006 h1.52
  text "19" at 78.635,10.018 h1.52
  text "Yes" at 102.249,10.018 h1.52
  text "Signal / GND" at -18.5,7.146 h1.52
  text "30° Finger Chamfered" at 82.111,7.146 h1.52
  text "L6" at -21.9,7.018 h1.52
  text "20" at 78.6,7.018 h1.52
  text "No" at 102.25,7.018 h1.52
  text "Castellated Holes" at 82.111,4.002 h1.52
  text "No" at 102.25,4.01 h1.52
  text "L7" at -21.9,4 h1.52
  text "GND" at -18.5,3.997 h1.52
  text "21" at 78.677,4 h1.52
  text "Bottom (Signal / GND)" at -18.5,1.146 h1.52
  text "Edge Plating" at 82.111,1.145 h1.52
  text "L8" at -21.9,1.018 h1.52
  text "No" at 102.25,1.01 h1.52
  text "22" at 78.601,1 h1.52

## Dimensions
69.6,0 to 69.6,45 on Mechanical 13
0,0 to 69.6,0 on Mechanical 13

## Text inside footprints (layer, text, board x,y; h text height)
LED400: Mechanical 13 "R" at 66.143,25.859 h0.5 r180; Mechanical 13 "+" at 66.111,26.657 h0.5 r180; Mechanical 13 "B" at 62.434,26.659 h0.5 r180; Mechanical 13 "G" at 62.449,25.859 h0.5 r180
LED501: Mechanical 13 "R" at 66.143,23.259 h0.5 r180; Mechanical 13 "+" at 66.111,24.057 h0.5 r180; Mechanical 13 "G" at 62.449,23.259 h0.5 r180; Mechanical 13 "B" at 62.434,24.059 h0.5 r180
LED600: Mechanical 13 "R" at 66.143,20.659 h0.5 r180; Mechanical 13 "+" at 66.111,21.457 h0.5 r180; Mechanical 13 "G" at 62.449,20.659 h0.5 r180; Mechanical 13 "B" at 62.434,21.459 h0.5 r180
LED900: Mechanical 13 "R" at 12.057,38.216 h0.5; Mechanical 13 "+" at 12.089,37.418 h0.5; Mechanical 13 "B" at 15.766,37.416 h0.5; Mechanical 13 "G" at 15.751,38.216 h0.5